# KiCad board Marble.kicad_pcb (continued)
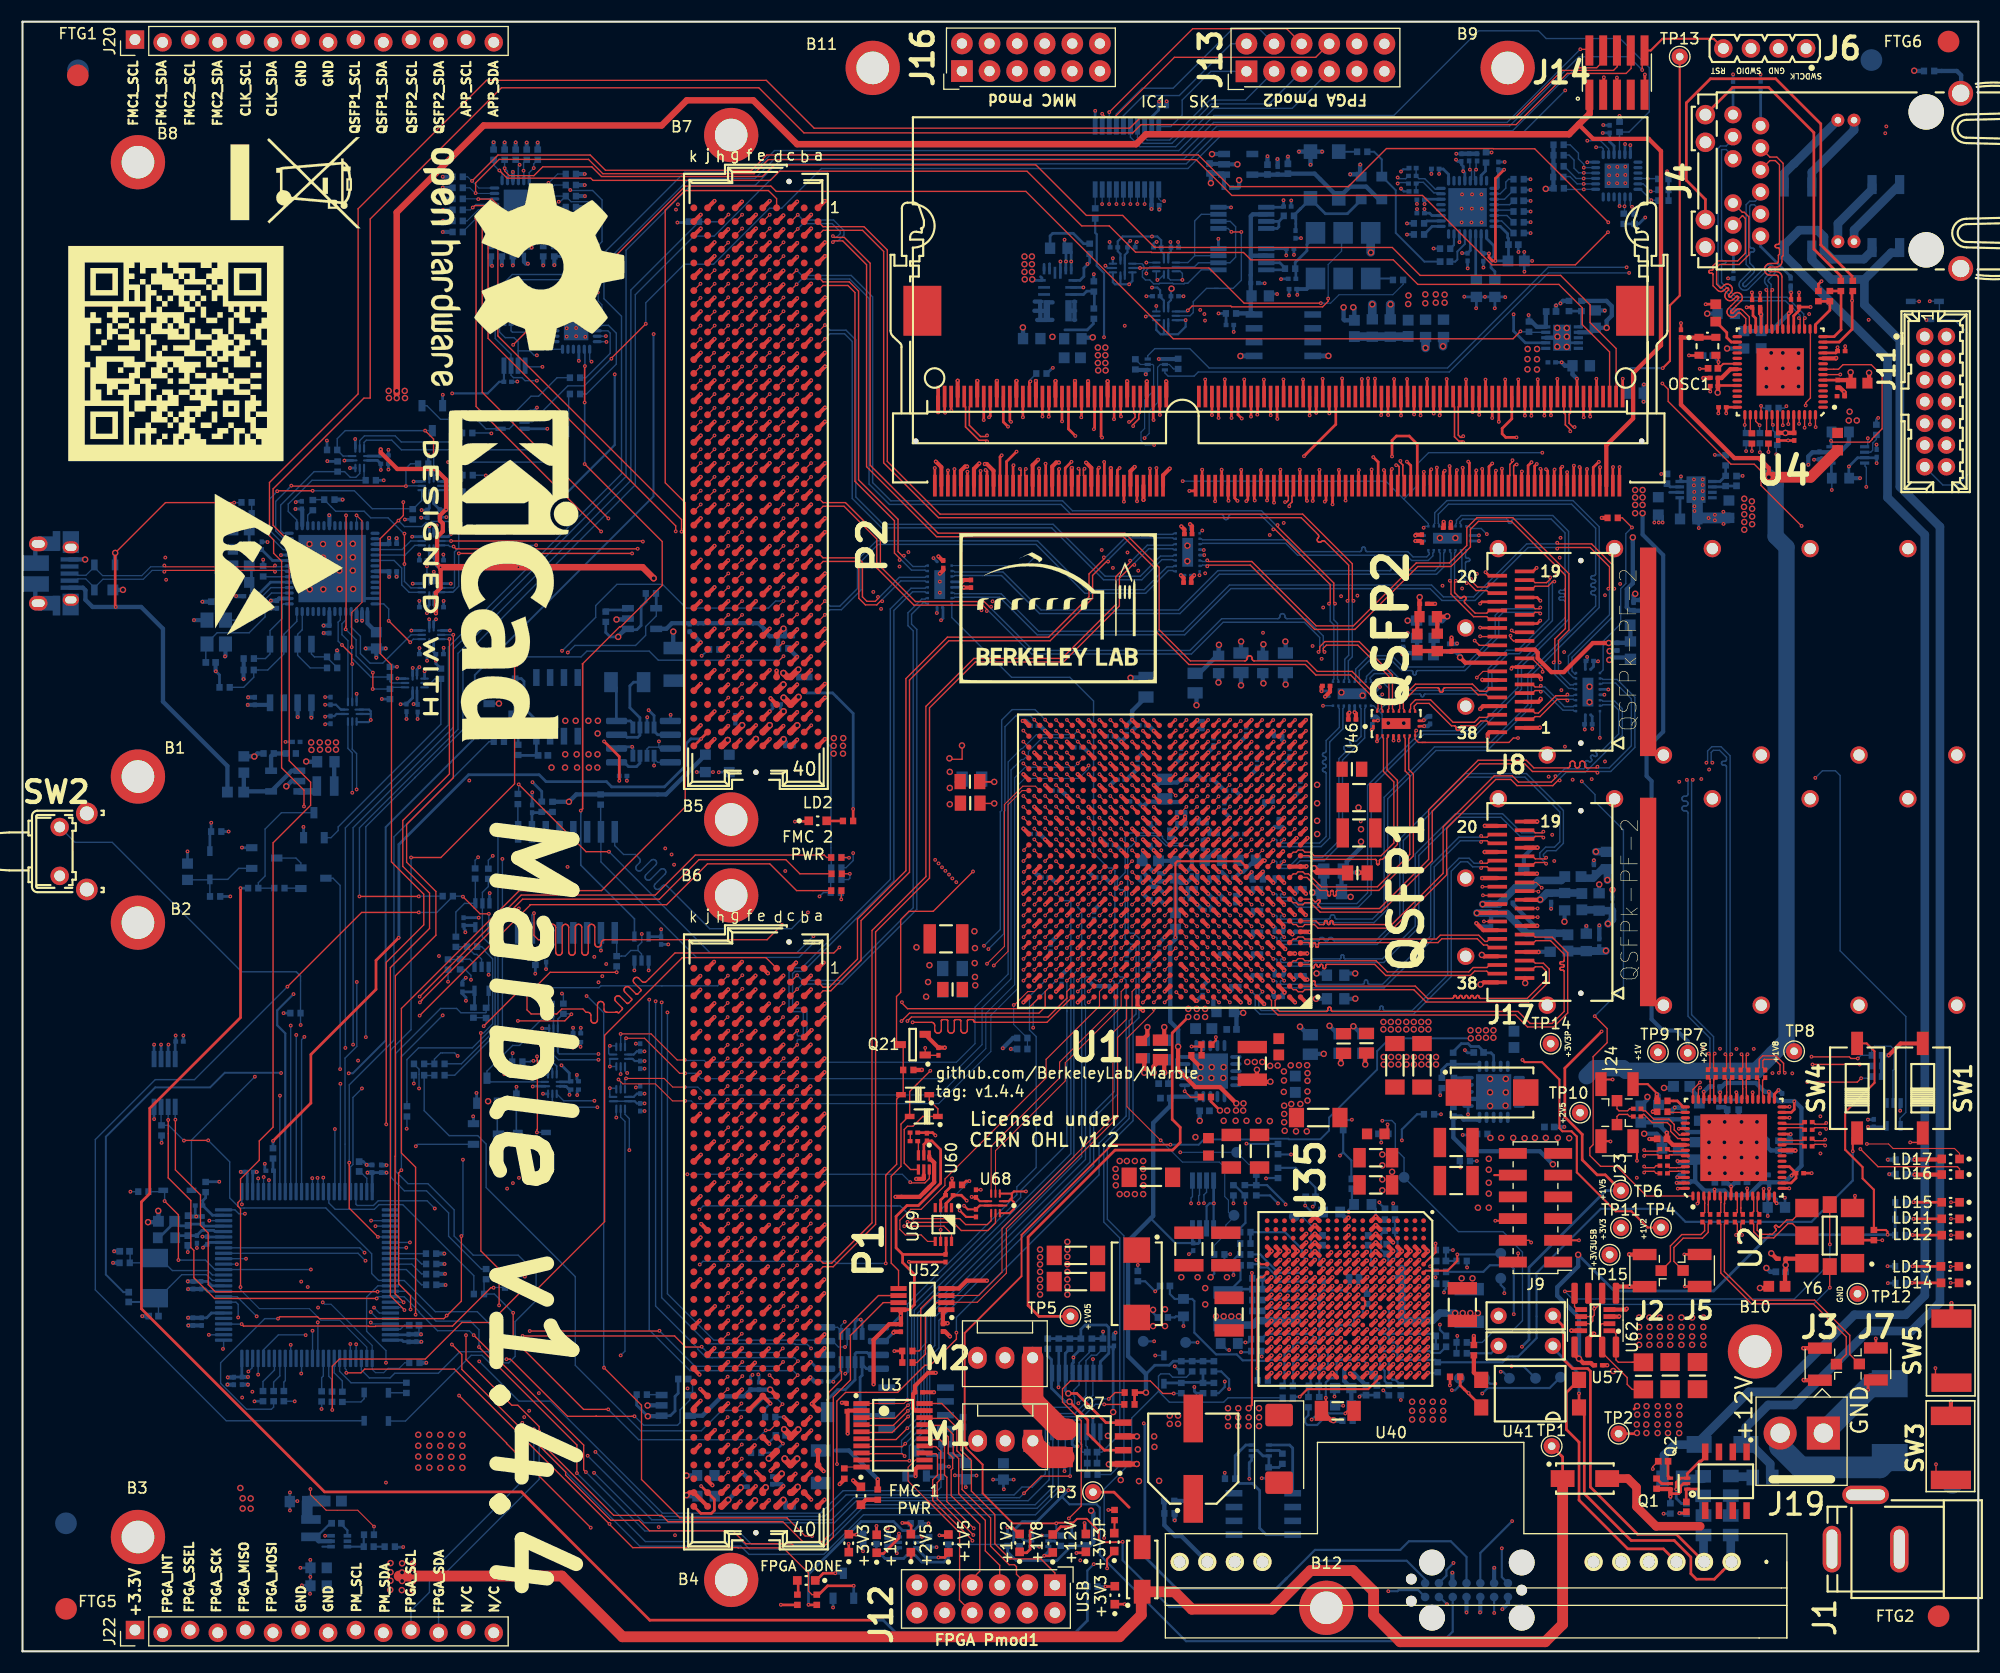
[diagram p0: board, top side]
## Library data of the parts (continued)
R133 R139 = -: Author: CERN DEM JLC; Case: 0402; Component Kind: Standard; Component Type: Standard; CreateDate: 03.12.2007; LatestRevisionDate: 17.10.2012; Manufacturer: GENERIC; Manufacturer1 ComponentHeight: 0.4mm; Manufacturer1 Example: YAGEO PHYCOMP; Manufacturer1 Part Number: 232270671001L; Mounted: Yes; Part Description: General Purpose Thick Film Chip Resistor; Part Number: R0402_100R_1%_0.0625W_100PPM; Pin Count: 2; Power: 0.0625W; PressFit: No; SMD: Yes; Sense: No; Socket: No; Status: Not Recommended; TC: ±100ppm/°C; Tolerance: ±1%
R134 = -: Author: CERN DEM BC; Case: 1206; Component Kind: Standard; Component Type: Standard; ComponentHeight: 0.8mm; CreateDate: 08.10.2020; LatestRevisionDate: 08.10.2020; Manufacturer: KOA; Manufacturer Part Number: TLR2BPDTD5L00F75; Mounted: Yes; Part Description: Metal Plate Current Sense Resistor; Part Number: R1206_0R005_1%_1.5W_75PPM_KOA_TLR2BP; Pin Count: 2; Power: 1.5W; PressFit: No; SMD: Yes; Sense: No; Socket: No; Status: None; TC: ±75ppm/°C; Tolerance: ±1%
R138 R142 = -: Case: 0402; Comment: =Value; Component Kind: Standard; Component Type: Standard; CreateDate: 12/03/07 00:00:00; Footprint Path: PcbLib\Resistors SMD.PcbLib; Footprint Ref: RESC1005X40N; LatestRevisionDate: 10/17/12 00:00:00; Library Name: Resistors SMD; Library Path: SchLib\Resistors.SchLib; Library Ref: Resistor - 1%; License: This work is licensed under the Creative Commons CC-BY-SA 4.0 License. To the extent that circuit schematics that use Licensed Material can be considered to be ‘Adapted Material’, then the copyright holder waives article 3.b of the license with respect to these schematics.; Manufacturer: GENERIC; Manufacturer1 ComponentHeight: 0.4mm; Manufacturer1 Example: YAGEO PHYCOMP; Manufacturer1 Part Number: 232270671003L; Mounted: Yes; Part Description: General Purpose Thick Film Chip Resistor; Pin Count: 2; Power: 0.0625W; PressFit: No; SMD: Yes; Sense: No; Socket: No; Status: Not Recommended; TC: ±100ppm/°C; Tolerance: ±1%; Val: 10k; config: dnf; ~: 10k
R144 R146 R158 = -: Case: 0402; Comment: =Value; Component Kind: Standard; Component Type: Standard; CreateDate: 12/03/07 00:00:00; Footprint Path: PcbLib\Resistors SMD.PcbLib; Footprint Ref: RESC1005X40N; LatestRevisionDate: 10/17/12 00:00:00; Library Name: Resistors.DbLib; Library Path: SchLib\Resistors.SchLib; Library Ref: Resistor - 1%; License: This work is licensed under the Creative Commons CC-BY-SA 4.0 License. To the extent that circuit schematics that use Licensed Material can be considered to be ‘Adapted Material’, then the copyright holder waives article 3.b of the license with respect to these schematics.; Manufacturer: GENERIC; Manufacturer1 ComponentHeight: 0.4mm; Manufacturer1 Example: YAGEO PHYCOMP; Manufacturer1 Part Number: 232270671002L; Mounted: Yes; Part Description: General Purpose Thick Film Chip Resistor; Pin Count: 2; Power: 0.0625W; PressFit: No; SMD: Yes; Sense: No; Socket: No; Status: Not Recommended; TC: ±100ppm/°C; Tolerance: ±1%; Val: 1k; ~: 1k
R147 = -: Case: 0402; Comment: =Value; Component Kind: Standard; Component Type: Standard; CreateDate: 12/03/07 00:00:00; Footprint Path: PcbLib\Resistors SMD.PcbLib; Footprint Ref: RESC1005X40N; LatestRevisionDate: 10/17/12 00:00:00; Library Name: Resistors.DbLib; Library Path: SchLib\Resistors.SchLib; Library Ref: Resistor - 1%; License: This work is licensed under the Creative Commons CC-BY-SA 4.0 License. To the extent that circuit schematics that use Licensed Material can be considered to be ‘Adapted Material’, then the copyright holder waives article 3.b of the license with respect to these schematics.; Manufacturer: GENERIC; Manufacturer1 ComponentHeight: 0.4mm; Manufacturer1 Example: YAGEO PHYCOMP; Manufacturer1 Part Number: 232270671002L; Mounted: Yes; Part Description: General Purpose Thick Film Chip Resistor; Pin Count: 2; Power: 0.0625W; PressFit: No; SMD: Yes; Sense: No; Socket: No; Status: Not Recommended; TC: ±100ppm/°C; Tolerance: ±1%; Val: 1k; config: dnf; ~: 1k
R149 R157 R167 R194 R206 R308 = -: Author: CERN DEM JLC; Case: 0402; Component Kind: Standard; Component Type: Standard; CreateDate: 03.12.2007; LatestRevisionDate: 17.10.2012; Manufacturer: GENERIC; Manufacturer1 ComponentHeight: 0.4mm; Manufacturer1 Example: YAGEO PHYCOMP; Manufacturer1 Part Number: 232270671004L; Mounted: Yes; Part Description: General Purpose Thick Film Chip Resistor; Pin Count: 2; Power: 0.0625W; PressFit: No; SMD: Yes; Sense: No; Socket: No; Status: Not Recommended; TC: ±100ppm/°C; Tolerance: ±1%
R155 R169 R170 R180 R186 R187 R191-R193 = -: Author: CERN DEM JLC; Case: 0402; Component Kind: Standard; Component Type: Standard; CreateDate: 03.12.2007; LatestRevisionDate: 17.10.2012; Manufacturer: GENERIC; Manufacturer1 ComponentHeight: 0.4mm; Manufacturer1 Example: YAGEO PHYCOMP; Manufacturer1 Part Number: 232270591001L; Mounted: Yes; Part Description: 1A (0.05R Max DC Resistance) Zero Ohm Jumper; Pin Count: 2; PressFit: No; SMD: Yes; Sense: No; Socket: No; Status: Not Recommended; Val: 0; config: dnf
R162 = -: Case: 0402; Comment: =Value; Component Kind: Standard; Component Type: Standard; CreateDate: 12/03/07 00:00:00; Footprint Path: PcbLib\Resistors SMD.PcbLib; Footprint Ref: RESC1005X40N; LatestRevisionDate: 10/17/12 00:00:00; Library Name: Resistors SMD; Library Path: SchLib\Resistors.SchLib; Library Ref: Resistor - 1%; License: This work is licensed under the Creative Commons CC-BY-SA 4.0 License. To the extent that circuit schematics that use Licensed Material can be considered to be ‘Adapted Material’, then the copyright holder waives article 3.b of the license with respect to these schematics.; Manufacturer: GENERIC; Manufacturer1 ComponentHeight: 0.4mm; Manufacturer1 Example: YAGEO PHYCOMP; Manufacturer1 Part Number: 232270673001L; Mounted: Yes; Part Description: General Purpose Thick Film Chip Resistor; Pin Count: 2; Power: 0.0625W; PressFit: No; SMD: Yes; Sense: No; Socket: No; Status: Not Recommended; TC: ±100ppm/°C; Tolerance: ±1%; Val: 300; config: dnf; ~: DNP
R166 = -: Case: 0402; Comment: =Value; Component Kind: Standard; Component Type: Standard; CreateDate: 12/03/07 00:00:00; Footprint Path: PcbLib\Resistors SMD.PcbLib; Footprint Ref: RESC1005X40N; LatestRevisionDate: 10/17/12 00:00:00; Library Name: Resistors SMD; Library Path: SchLib\Resistors.SchLib; Library Ref: Resistor - 1%; License: This work is licensed under the Creative Commons CC-BY-SA 4.0 License. To the extent that circuit schematics that use Licensed Material can be considered to be ‘Adapted Material’, then the copyright holder waives article 3.b of the license with respect to these schematics.; Manufacturer: GENERIC; Manufacturer1 ComponentHeight: 0.4mm; Manufacturer1 Example: YAGEO PHYCOMP; Manufacturer1 Part Number: 232270671003L; Mounted: Yes; Part Description: General Purpose Thick Film Chip Resistor; Pin Count: 2; Power: 0.0625W; PressFit: No; SMD: Yes; Sense: No; Socket: No; Status: Not Recommended; TC: ±100ppm/°C; Tolerance: ±1%; Val: 4.7k; ~: 4.7k
R168 = -: Case: 0402; Comment: 1k8; Component Kind: Standard; Component Type: Standard; CreateDate: 12/03/07 00:00:00; Footprint Path: PcbLib\Resistors SMD.PcbLib; Footprint Ref: RESC1005X40N; LatestRevisionDate: 10/17/12 00:00:00; Library Name: Resistors.DbLib; Library Path: SchLib\Resistors.SchLib; Library Ref: Resistor - 1%; License: This work is licensed under the Creative Commons CC-BY-SA 4.0 License. To the extent that circuit schematics that use Licensed Material can be considered to be ‘Adapted Material’, then the copyright holder waives article 3.b of the license with respect to these schematics.; Manufacturer: GENERIC; Manufacturer1 ComponentHeight: 0.4mm; Manufacturer1 Example: YAGEO PHYCOMP; Manufacturer1 Part Number: 232270671802L; Mounted: Yes; Part Description: General Purpose Thick Film Chip Resistor; Pin Count: 2; Power: 0.0625W; PressFit: No; SMD: Yes; Sense: No; Socket: No; Status: Not Recommended; TC: ±100ppm/°C; Tolerance: ±1%; Val: 1k8
R182 R183 = -: Case: 1206; Comment: =Value; Component Kind: Standard; Component Type: Standard; ComponentHeight: 0.8mm; CreateDate: 05/11/10 00:00:00; Footprint Path: PcbLib\Resistors SMD.PcbLib; Footprint Ref: RESC3216X80N; LatestRevisionDate: 09/03/12 00:00:00; Library Name: Resistors SMD; Library Path: SchLib\Resistors.SchLib; Library Ref: Resistor - 1%; License: This work is licensed under the Creative Commons CC-BY-SA 4.0 License. To the extent that circuit schematics that use Licensed Material can be considered to be ‘Adapted Material’, then the copyright holder waives article 3.b of the license with respect to these schematics.; Manufacturer: Ohmite; Manufacturer Part Number: KDV12DR082ET; Mounted: Yes; Part Description: Low Value Flat Chip Resistor; Pin Count: 2; Power: 0.5W; PressFit: No; SMD: Yes; Sense: No; Socket: No; Status: None; TC: ±100ppm/°C; Tolerance: ±1%; Val: 0R082; ~: 0R082
R189 = -: Case: 0402; Comment: 3k6; Component Kind: Standard; Component Type: Standard; CreateDate: 12/03/07 00:00:00; Footprint Path: PcbLib\Resistors SMD.PcbLib; Footprint Ref: RESC1005X40N; LatestRevisionDate: 10/17/12 00:00:00; Library Name: Resistors.DbLib; Library Path: SchLib\Resistors.SchLib; Library Ref: Resistor - 1%; License: This work is licensed under the Creative Commons CC-BY-SA 4.0 License. To the extent that circuit schematics that use Licensed Material can be considered to be ‘Adapted Material’, then the copyright holder waives article 3.b of the license with respect to these schematics.; Manufacturer: GENERIC; Manufacturer1 ComponentHeight: 0.4mm; Manufacturer1 Example: YAGEO PHYCOMP; Manufacturer1 Part Number: 232270673602L; Mounted: Yes; Part Description: General Purpose Thick Film Chip Resistor; Pin Count: 2; Power: 0.0625W; PressFit: No; SMD: Yes; Sense: No; Socket: No; Status: Not Recommended; TC: ±100ppm/°C; Tolerance: ±1%; Val: 3k6
R195 = -: Case: 0402; Comment: 7k5; Component Kind: Standard; Component Type: Standard; CreateDate: 12/03/07 00:00:00; Footprint Path: PcbLib\Resistors SMD.PcbLib; Footprint Ref: RESC1005X40N; LatestRevisionDate: 10/17/12 00:00:00; Library Name: Resistors.DbLib; Library Path: SchLib\Resistors.SchLib; Library Ref: Resistor - 1%; License: This work is licensed under the Creative Commons CC-BY-SA 4.0 License. To the extent that circuit schematics that use Licensed Material can be considered to be ‘Adapted Material’, then the copyright holder waives article 3.b of the license with respect to these schematics.; Manufacturer: GENERIC; Manufacturer1 ComponentHeight: 0.4mm; Manufacturer1 Example: YAGEO PHYCOMP; Manufacturer1 Part Number: 232270677502L; Mounted: Yes; Part Description: General Purpose Thick Film Chip Resistor; Pin Count: 2; Power: 0.0625W; PressFit: No; SMD: Yes; Sense: No; Socket: No; Status: Not Recommended; TC: ±100ppm/°C; Tolerance: ±1%; Val: 7k5
R196 = -: Case: 0402; Comment: 24k; Component Kind: Standard; Component Type: Standard; CreateDate: 12/03/07 00:00:00; Footprint Path: PcbLib\Resistors SMD.PcbLib; Footprint Ref: RESC1005X40N; LatestRevisionDate: 10/17/12 00:00:00; Library Name: Resistors.DbLib; Library Path: SchLib\Resistors.SchLib; Library Ref: Resistor - 1%; License: This work is licensed under the Creative Commons CC-BY-SA 4.0 License. To the extent that circuit schematics that use Licensed Material can be considered to be ‘Adapted Material’, then the copyright holder waives article 3.b of the license with respect to these schematics.; Manufacturer: GENERIC; Manufacturer1 ComponentHeight: 0.4mm; Manufacturer1 Example: YAGEO PHYCOMP; Manufacturer1 Part Number: 232270672403L; Mounted: Yes; Part Description: General Purpose Thick Film Chip Resistor; Pin Count: 2; Power: 0.0625W; PressFit: No; SMD: Yes; Sense: No; Socket: No; Status: Not Recommended; TC: ±100ppm/°C; Tolerance: ±1%; Val: 24k
R197 R198 = -: Case: 0402; Comment: =Value; Component Kind: Standard; Component Type: Standard; CreateDate: 12/03/07 00:00:00; Footprint Path: PcbLib\Resistors SMD.PcbLib; Footprint Ref: RESC1005X40N; LatestRevisionDate: 10/17/12 00:00:00; Library Name: Resistors SMD; Library Path: SchLib\Resistors.SchLib; Library Ref: Resistor; License: This work is licensed under the Creative Commons CC-BY-SA 4.0 License. To the extent that circuit schematics that use Licensed Material can be considered to be ‘Adapted Material’, then the copyright holder waives article 3.b of the license with respect to these schematics.; Manufacturer: GENERIC; Manufacturer1 ComponentHeight: 0.4mm; Manufacturer1 Example: YAGEO PHYCOMP; Manufacturer1 Part Number: 232270591001L; Mounted: Yes; Part Description: 1A (0.05R Max DC Resistance) Zero Ohm Jumper; Pin Count: 2; PressFit: No; SMD: Yes; Sense: No; Socket: No; Status: Not Recommended; Val: 0; config: dnf; ~: DNP
R217 = -: Author: CERN DEM BC; Case: 0402; Component Kind: Standard; Component Type: Standard; CreateDate: 09.07.2020; LatestRevisionDate: 09.07.2020; Manufacturer: GENERIC; Manufacturer Part Number: R0603_90K9_0.1%_0.20W_50PPM; Manufacturer1 ComponentHeight: 0.65mm; Manufacturer1 Example: PANASONIC; Manufacturer1 Part Number: ERJ-PB3B9092V; Mounted: Yes; Part Description: Thick Film Precision Resistor; Part Number: R0603_90K9_0.1%_0.20W_50PPM; Pin Count: 2; Power: 0.20W; PressFit: No; SMD: Yes; Sense: No; Socket: No; Status: Not Recommended; TC: ±50ppm/°C; Tolerance: ±0.1%
R219 = -: Author: CERN DEM JLC; Case: 0603; Component Kind: Standard; Component Type: Standard; CreateDate: 03.12.2007; LatestRevisionDate: 13.03.2008; Manufacturer: GENERIC; Manufacturer Part Number: R0603_13K3_0.1%_0.20W_50PPM; Manufacturer1 ComponentHeight: 0.65mm; Manufacturer1 Example: PANASONIC; Manufacturer1 Part Number: ERJ-PB3B1332V; Mounted: Yes; Part Description: Thick Film Precision Resistor; Part Number: R0603_13K3_0.1%_0.20W_50PPM; Pin Count: 2; Power: 0.20W; PressFit: No; SMD: Yes; Sense: No; Socket: No; Status: Not Recommended; TC: ±50ppm/°C; Tolerance: ±0.1%
R220 = -: Author: CERN DEM JLC; Case: 0603; Component Kind: Standard; Component Type: Standard; CreateDate: 03.12.2007; LatestRevisionDate: 13.03.2008; Manufacturer: GENERIC; Manufacturer Part Number: R0603_30K0_0.1%_0.20W_50PPM; Manufacturer1 ComponentHeight: 0.65mm; Manufacturer1 Example: PANASONIC; Manufacturer1 Part Number: ERJ-PB3B3002V; Mounted: Yes; Part Description: Thick Film Precision Resistor; Part Number: R0603_30K0_0.1%_0.20W_50PPM; Pin Count: 2; Power: 0.20W; PressFit: No; SMD: Yes; Sense: No; Socket: No; Status: Not Recommended; TC: ±50ppm/°C; Tolerance: ±0.1%
R221 = -: Case: 0402; Comment: =Value; Component Kind: Standard; Component Type: Standard; CreateDate: 12/03/07 00:00:00; Footprint Path: PcbLib\Resistors SMD.PcbLib; Footprint Ref: RESC1005X40N; LatestRevisionDate: 10/17/12 00:00:00; Library Name: Resistors SMD; Library Path: SchLib\Resistors.SchLib; Library Ref: Resistor - 1%; License: This work is licensed under the Creative Commons CC-BY-SA 4.0 License. To the extent that circuit schematics that use Licensed Material can be considered to be ‘Adapted Material’, then the copyright holder waives article 3.b of the license with respect to these schematics.; Manufacturer: GENERIC; Manufacturer1 ComponentHeight: 0.4mm; Manufacturer1 Example: YAGEO PHYCOMP; Manufacturer1 Part Number: 232270672202L; Mounted: Yes; Part Description: General Purpose Thick Film Chip Resistor; Pin Count: 2; Power: 0.0625W; PressFit: No; SMD: Yes; Sense: No; Socket: No; Status: Not Recommended; TC: ±100ppm/°C; Tolerance: ±1%; Val: 2k2; config: dnf; ~: 2k2
R226 = -: Author: CERN DEM MR; Case: 0402; Component Kind: Standard; Component Type: Standard; CreateDate: 09.03.2017; LatestRevisionDate: 09.03.2017; Manufacturer: GENERIC; Manufacturer Part Number: R0603_19K1_0.1%_0.20W_50PPM; Manufacturer1 ComponentHeight: 0.65mm; Manufacturer1 Example: PANASONIC; Manufacturer1 Part Number: ERJ-PB3B1912V; Mounted: Yes; Part Description: Thick Film Precision Resistor; Part Number: R0603_19K1_0.1%_0.20W_50PPM; Pin Count: 2; Power: 0.20W; PressFit: No; SMD: Yes; Sense: No; Socket: No; Status: Not Recommended; TC: ±50ppm/°C; Tolerance: ±0.1%
R274 = -: Case: 0402; Comment: =Value; Component Kind: Standard; Component Type: Standard; CreateDate: 12/03/07 00:00:00; Footprint Path: PcbLib\Resistors SMD.PcbLib; Footprint Ref: RESC1005X40N; LatestRevisionDate: 10/17/12 00:00:00; Library Name: Resistors SMD; Library Path: SchLib\Resistors.SchLib; Library Ref: Resistor; License: This work is licensed under the Creative Commons CC-BY-SA 4.0 License. To the extent that circuit schematics that use Licensed Material can be considered to be ‘Adapted Material’, then the copyright holder waives article 3.b of the license with respect to these schematics.; Manufacturer: GENERIC; Manufacturer1 ComponentHeight: 0.4mm; Manufacturer1 Example: YAGEO PHYCOMP; Manufacturer1 Part Number: 232270591001L; Mounted: Yes; Part Description: 1A (0.05R Max DC Resistance) Zero Ohm Jumper; Pin Count: 2; PressFit: No; SMD: Yes; Sense: No; Socket: No; Status: Not Recommended; Val: 0; config: dnf; ~: 2k2
R291-R296 = -: Case: 0402; Comment: =Value; Component Kind: Standard; Component Type: Standard; CreateDate: 12/03/07 00:00:00; Footprint Path: PcbLib\Resistors SMD.PcbLib; Footprint Ref: RESC1005X40N; LatestRevisionDate: 10/17/12 00:00:00; Library Name: Resistors SMD; Library Path: SchLib\Resistors.SchLib; Library Ref: Resistor - 1%; License: This work is licensed under the Creative Commons CC-BY-SA 4.0 License. To the extent that circuit schematics that use Licensed Material can be considered to be ‘Adapted Material’, then the copyright holder waives article 3.b of the license with respect to these schematics.; Manufacturer: GENERIC; Manufacturer1 ComponentHeight: 0.4mm; Manufacturer1 Example: YAGEO PHYCOMP; Manufacturer1 Part Number: 232270672209L; Mounted: Yes; Part Description: General Purpose Thick Film Chip Resistor; Pin Count: 2; Power: 0.0625W; PressFit: No; SMD: Yes; Sense: No; Socket: No; Status: Not Recommended; TC: ±100ppm/°C; Tolerance: ±1%; Val: 22; ~: 22
SK1 = -: Case: SODIMM; Component Kind: Standard; Component Type: Standard; ComponentHeight: 4.6mm; CreateDate: 08/08/12 00:00:00; Device: DDR3 SODIMM; Footprint Path: PcbLib\Sockets.PcbLib; LatestRevisionDate: 08/08/12 00:00:00; Library Name: Eletro-mechanical.DbLib; Library Path: SchLib\Sockets.SchLib; License: This work is licensed under the Creative Commons CC-BY-SA 4.0 License. To the extent that circuit schematics that use Licensed Material can be considered to be ‘Adapted Material’, then the copyright holder waives article 3.b of the license with respect to these schematics.; Manufacturer: TYCO ELECTRONICS; Manufacturer Part Number: 2-2013022-1; Mounted: Yes; PackageDescription: Right Angle DDR3  SODIMM Socket 0.6mm Pitch 204 Positions; Part Description: Right Angle 204 Positions DDR3 SODIMM Socket; Pin Count: 204; PressFit: No; SMD: Yes; Sense: No; Socket: No; Status: None
SW1 SW4 = -: Manufacturer: OMRON; Manufacturer Part Number: A6SN-1101
SW2 = -: Manufacturer: ALPS; config: dnf
SW3 SW5 = -: Manufacturer: C&K
U1 = -: Manufacturer: XILINX; Manufacturer Part Number: XC7K160T-2FFG676I
U2 = -: Case: QFN64; Component Kind: Standard; Component Type: Standard; ComponentHeight: 1mm; CreateDate: 01/17/11 00:00:00; Footprint Path: PcbLib\ICs And Semiconductors SMD.PcbLib; Footprint Ref: QFN50P900X900X100-65N-S615; LatestRevisionDate: 01/17/11 00:00:00; Library Name: ICs And Semiconductors.DbLib; Library Path: SchLib\Analog & Interface.SchLib; Library Ref: ADN4600; License: This work is licensed under the Creative Commons CC-BY-SA 4.0 License. To the extent that circuit schematics that use Licensed Material can be considered to be ‘Adapted Material’, then the copyright holder waives article 3.b of the license with respect to these schematics.; Manufacturer: ANALOG DEVICES; Mounted: Yes; PackageDescription: QFN, 0.50mm Pitch, Square; 64 Pin, 9.00mm L X 9.00mm W X 1.00mm H body (6.15mm X 6.15mm Thermal Tab), IPC Medium Density; Part Description: 4.25Gbps, 8 x 8, Asynchronous Crosspoint Switch; Pin Count: 65; PressFit: No; SMD: Yes; Sense: No; Socket: No
U3 U12 = -: Case: TSSOP20; Comment: TXB0108PW; Component Kind: Standard; Component Type: Standard; ComponentHeight: 1.2mm; CreateDate: 04/01/16 00:00:00; Device: TXB0108PW; Footprint Path: PcbLib\ICs And Semiconductors SMD.PcbLib; Footprint Ref: SOP65P640X120-20N; LatestRevisionDate: 04/01/16 00:00:00; Library Name: ICs And Semiconductors.DbLib; Library Path: SchLib\Analog & Interface.SchLib; Library Ref: TXB0108PW; License: This work is licensed under the Creative Commons CC-BY-SA 4.0 License. To the extent that circuit schematics that use Licensed Material can be considered to be ‘Adapted Material’, then the copyright holder waives article 3.b of the license with respect to these schematics.; Manufacturer: TEXAS INSTRUMENTS; Manufacturer Part Number: TXS0108EPWR; Mounted: Yes; PackageDescription: SOP, 20-Leads, Body 6.5x4.4mm, Pitch 0.65mm, IPC Medium Density; Part Description: 8-Bit Bidirectional Voltage-Level Translator with Automatic Direction Sensing and ±15kV ESD Protection; Pin Count: 20; PressFit: No; SMD: Yes; Sense: No; Socket: No
U4 = -: Case: QFN56; Comment: =Device; Component Kind: Standard; Component Type: Standard; ComponentHeight: 1mm; CreateDate: 01/21/15 00:00:00; Footprint Path: PcbLib\ICs And Semiconductors SMD.PcbLib; Footprint Ref: QFN50P800X800X100-57N-S437; LatestRevisionDate: 01/21/15 00:00:00; Library Name: ICs And Semiconductors SMD; Library Path: SchLib\Analog & Interface.SchLib; Library Ref: 88E1512-XX-NNP2I000; License: This work is licensed under the Creative Commons CC-BY-SA 4.0 License. To the extent that circuit schematics that use Licensed Material can be considered to be ‘Adapted Material’, then the copyright holder waives article 3.b of the license with respect to these schematics.; Manufacturer: MARVELL TECHNOLOGY; Mounted: Yes; PackageDescription: QFN, 0.50mm Pitch, Square; 56 Pin, 8.00mm L X 8.00mm W X 1.00mm H Body (4.37mm X 4.37mm Thermal Tab), IPC Medium Density; Part Description: Alaska Integrated 10/100/1000 Mbps Energy Efficient Ethernet Transceiver; Part Number: 88E1512-XX-NNP2I000; Pin Count: 57; PressFit: No; SMD: Yes; Sense: No; Socket: No
U5 U13 U14 U28 U29 U62-U64 = -: Manufacturer: TEXAS INSTRUMENTS
U6 U69 = -: Case: TSSOP8; Comment: =Device; Component Kind: Standard; Component Type: Standard; ComponentHeight: 0.9mm; CreateDate: 07/08/14 00:00:00; Footprint Path: PcbLib\ICs And Semiconductors SMD.PcbLib; Footprint Ref: SOP50P310X90-8N; LatestRevisionDate: 07/08/14 00:00:00; Library Name: ICs And Semiconductors SMD; Library Path: SchLib\Analog & Interface.SchLib; Library Ref: TXS0102DCU; License: This work is licensed under the Creative Commons CC-BY-SA 4.0 License. To the extent that circuit schematics that use Licensed Material can be considered to be ‘Adapted Material’, then the copyright holder waives article 3.b of the license with respect to these schematics.; Manufacturer: TEXAS INSTRUMENTS; Mounted: Yes; PackageDescription: SOP, 0.50mm Pitch; 8 pin, 2.30mm W X 2.00mm L X 0.90mm H body, PC Medium Density; Part Description: 2-Bit Bidirectional Voltage-Level Translator for Open-Drain And Push-Pull Applications; Pin Count: 8; PressFit: No; SMD: Yes; Sense: No; Socket: No
U7 U10 = -: Case: SOT353; Comment: =Device; Component Kind: Standard; Component Type: Standard; ComponentHeight: 1.1mm; CreateDate: 07/07/14 00:00:00; Device: NC7SZ66P5X; Footprint Path: PcbLib\ICs And Semiconductors SMD.PcbLib; Footprint Ref: SOT65P210X110-5N; LatestRevisionDate: 07/07/14 00:00:00; Library Name: ICs And Semiconductors SMD; Library Path: SchLib\Standard Logic.SchLib; Library Ref: NC7SZ66P5X; License: This work is licensed under the Creative Commons CC-BY-SA 4.0 License. To the extent that circuit schematics that use Licensed Material can be considered to be ‘Adapted Material’, then the copyright holder waives article 3.b of the license with respect to these schematics.; Manufacturer: NEXPERIA; Mounted: Yes; PackageDescription: SOT353, SC70-5, SOT, 0.65mm Pitch, 5 pin, 1.25mm W X 2.00mm L X 1.10mm H, IPC Medium Density; Part Description: Low Voltage Single SPST Normally Open Bus Switch; Pin Count: 5; PressFit: No; SMD: Yes; Sense: No; Socket: No
U8 U9 U15 U24-U26 U33 U38 U42 U51 U53 U65-U68 = -: Case: QFN10; Comment: =Device; Component Kind: Standard; Component Type: Standard; ComponentHeight: 0.55mm; CreateDate: 07/07/14 00:00:00; Footprint Path: PcbLib\ICs And Semiconductors SMD.PcbLib; Footprint Ref: QFN40P140X180X55-10N; LatestRevisionDate: 03/30/17 00:00:00; Library Name: ICs And Semiconductors SMD; Library Path: SchLib\Standard Logic.SchLib; Library Ref: 742T245; License: This work is licensed under the Creative Commons CC-BY-SA 4.0 License. To the extent that circuit schematics that use Licensed Material can be considered to be ‘Adapted Material’, then the copyright holder waives article 3.b of the license with respect to these schematics.; Manufacturer: TEXAS INSTRUMENTS; Mounted: Yes; PackageDescription: QFN, 0.40mm Pitch, Rect.;10 Pin, 1.80mm L X 1.40mm W X 0.55mm H Body, IPC Medium Density; Part Description: Dual-Bit Dual-Supply Bus Transceiver With Configurable Voltage Translation and 3-State Outputs; Pin Count: 10; PressFit: No; SMD: Yes; Sense: No; Socket: No; Status: Not Recommended
U11 U61 = -: Case: SOT353; Comment: =Device; Component Kind: Standard; Component Type: Standard; ComponentHeight: 1.1mm; CreateDate: 12/19/11 00:00:00; Footprint Path: PcbLib\ICs And Semiconductors SMD.PcbLib; Footprint Ref: SOT65P210X110-5N; LatestRevisionDate: 12/19/11 00:00:00; Library Name: ICs And Semiconductors SMD; Library Path: SchLib\Standard Logic.SchLib; Library Ref: 741G125; License: This work is licensed under the Creative Commons CC-BY-SA 4.0 License. To the extent that circuit schematics that use Licensed Material can be considered to be ‘Adapted Material’, then the copyright holder waives article 3.b of the license with respect to these schematics.; Manufacturer: TEXAS INSTRUMENTS; Manufacturer Part Number: SN74LVC1G125DCK3; Mounted: Yes; PackageDescription: SOT353, SC70-5, SOT, 0.65mm Pitch, 5 pin, 1.25mm W X 2.00mm L X 1.10mm H, IPC Medium Density; Part Description: Single Bus Buffer Gate With 3-State Outputs; Pin Count: 5; PressFit: No; SMD: Yes; Sense: No; Socket: No
U16 = -: Case: MSOP8; Comment: =Device; Component Kind: Standard; Component Type: Standard; ComponentHeight: 1.1mm; CreateDate: 01/10/11 00:00:00; Footprint Path: PcbLib\ICs And Semiconductors SMD.PcbLib; Footprint Ref: SOP65P490X110-8N; LatestRevisionDate: 01/10/11 00:00:00; Library Name: ICs And Semiconductors SMD; Library Path: SchLib\Analog & Interface.SchLib; Library Ref: DAC8550; License: This work is licensed under the Creative Commons CC-BY-SA 4.0 License. To the extent that circuit schematics that use Licensed Material can be considered to be ‘Adapted Material’, then the copyright holder waives article 3.b of the license with respect to these schematics.; Manufacturer: ANALOG DEVICES; Manufacturer Part Number: DAC8550IDGKT; Mounted: Yes; PackageDescription: SOP, 0.65mm, Pitch; 8 Pin, 3.0mm W X 3.0mm L X 1.10mm H Body, IPC Medium Density; Part Description: 2.7V to 5.5V, 250uA, Rail-to-Rail Output 16-Bit nanoDAC; Part Number: DAC8550IDGKT; Pin Count: 8; PressFit: No; SMD: Yes; Sense: No; Socket: No